# Altium PCB Fast_Servo.PCBDOC (part 4 of 7)
Units mm, origin at the board's own origin, x right, y up, seen from the top; angles counter-clockwise.
Board outline 162.48 x 100 mm, 4 copper layers (Top, GP1(GND), L3, Bot), stack 1.648 mm thick; 621 components, 389 nets, 1909 pads, 971 vias.
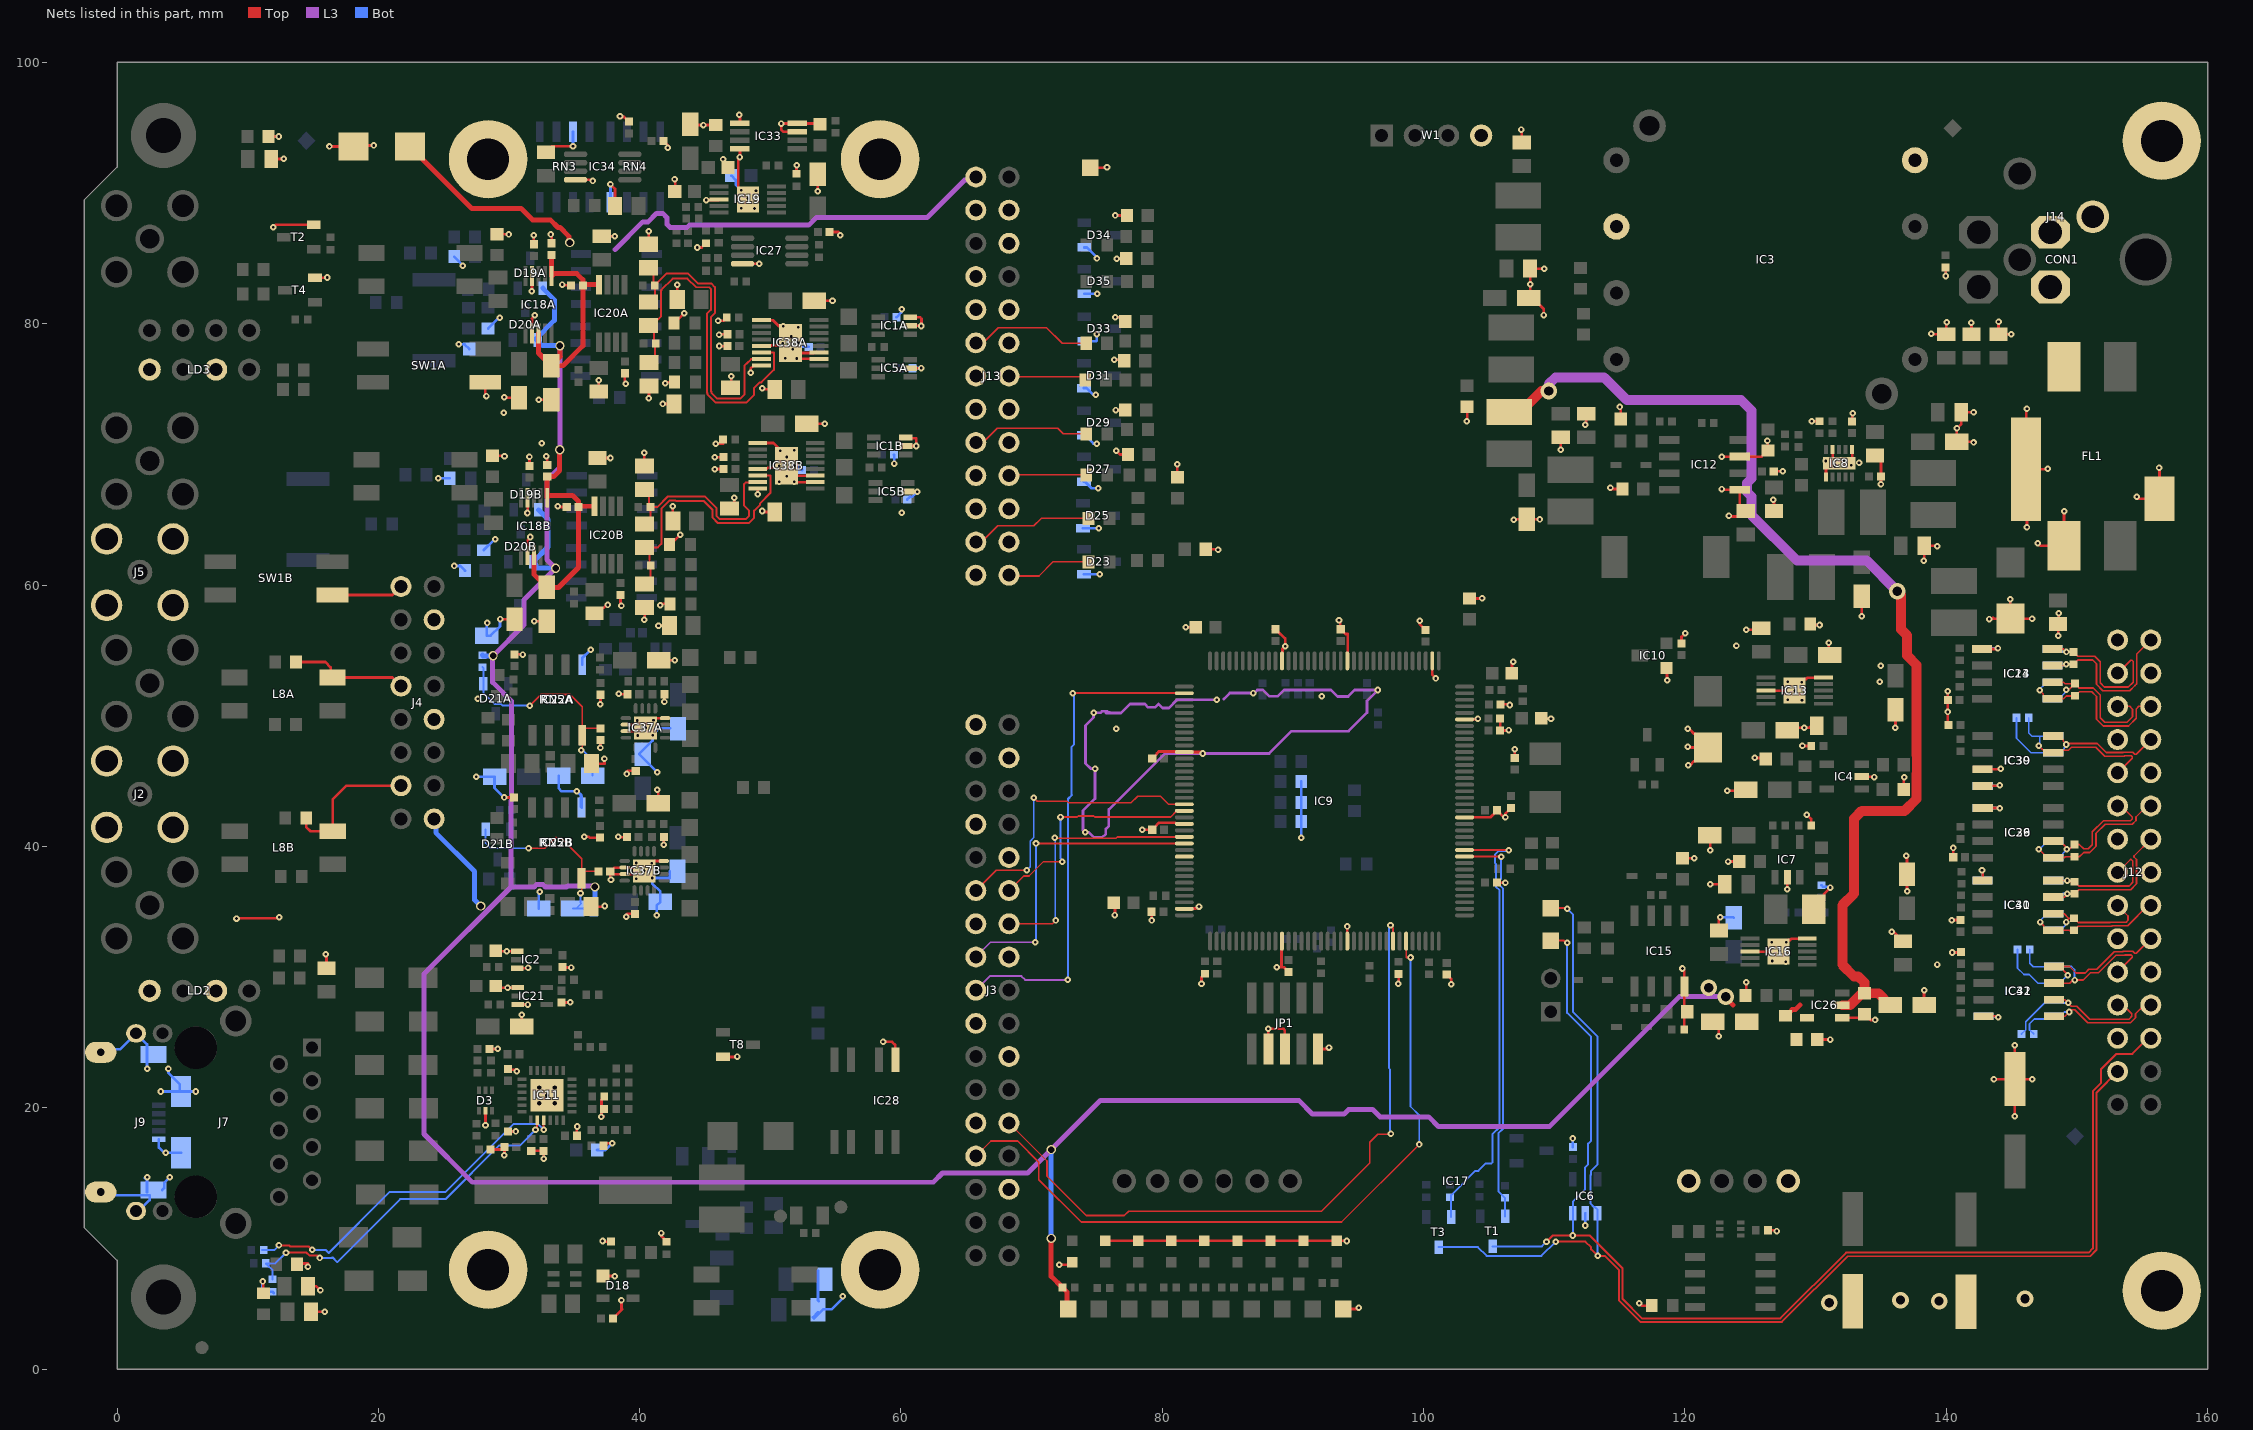
[diagram p6: the nets of this part, all layers, seen from the top]

## Via types
v1: diameter 0.5, hole 0.2, Top to Bot, tented both sides, 767 vias
v2: diameter 0.7, hole 0.5, Top to Bot, tented both sides, 74 vias
v3: diameter 0.6, hole 0.3, Top to Bot, tented both sides, 42 vias
v4: diameter 0.5, hole 0.2, Top to Bot, 40 vias
v5: diameter 1.27, hole 0.711, Top to Bot, tented both sides, 37 vias
v6: diameter 0.5, hole 0.2, Top to Bot, tented bottom, 5 vias
v7: diameter 0.66, hole 0.33, Top to Bot, tented both sides, 5 vias
v8: diameter 1, hole 0.6, Top to Bot, tented both sides, 1 vias

## Nets (pads, with @x,y where several pads share a name; then routed paths per layer and width w, separated by ;. In a path a pad name is that pad's centre, name@x,y a point inside that pad or via, vN(x,y) a via of type N, cw(c..) or ccw(c..) an arc to the next point about the centre after c; other vN are vias at no path point) (continued)
GND: A.1 B.1 C3A.2 C3B.2 C4.1 C5.1 C6A.1 C6B.1 C7A.1 C7B.1 C8.1 C9A.1 C9B.1 C10.2 C11.2 C12A.2 C12B.2 C13.1 C14.1 C15.2 C16A.2 C16B.2 C17.1 C18.1 C19.1 C20.1 C21.1 C22.1 C23.1 C24.2 C25.2 C26.1 C27.1 C28.2 C29.1 C31.2 C32.1 C33.1 C34.1 C35.2 C36.1 C37.2 C38.2 C39.1 C40.1 C41.2 C42.1 C43.2 C44.1 C45.1 C46.1 C48.1 C49.2 C50.2 C51.2 C52.2 C53.1 C54A.1 C54B.1 C55.1 C56.2 C57.2 C58.1 C59.1 C60.2 C61.1 C62.1 C63.1 C64.1 C65.2 C66.1 C67.2 C68.1 C69.1 C70.2 C71.2 C72.2 C73.2 C74.2 C75.1 C76.1 C77.2 C78.2 C79.2 C80.1 C81.1 C82.1 C83.1 C84.1 C85.1 C86.2 C87.1 C88.1 C89.1 C90.2 C91.1 C92A.1 C92B.1 C93.1 C95.1 C96.2 C97A.1 C97B.1 C98A.2 C98B.2 C99A.2 C99B.2 C100A.1 C100B.1 C101A.1 C101B.1 C102.2 C103.2 C105.1 C106A.1 C106B.1 C107.1 C108.1 C109.1 C110A.1 C110B.1 C112.1 C113A.1 C113B.1 C114.2 C115.2 C116.1 C117.1 C118.2 C119A.1 C119B.1 C121.1 C122.1 C123.1 C124A.1 C124B.1 C126A.2 C126B.2 C127A.2 C127B.2 C128A.1 C128B.1 C129A.1 C129B.1 C130A.1 C130B.1 C131A.1 C131B.1 C132A.1 C132B.1 C133A.1 C133B.1 C135.1 C137A.1 C137B.1 C138A.2 C138B.2 C139.2 C140.1 C141.2 C142A.1 C142B.1 C143A.1 C143B.1 C144.1 C145.1 C146.1 C147.1 C148.1 C149.1 C150A.1 C150B.1 C151A.1 C151B.1 C152.1 C154A.1 C154B.1 C155.1 C158.1 C160.1 C162.1 C164.1 C165.1 C166.1 C167.1 D3.2 D8.2 D9.1 D17.2 D18.1 D23.1 D25.1 D27.1 D29.1 D31.1 D33.1 D34.1 D35.1 FL1.4 IC1A.2 IC1A.3 IC1B.2 IC1B.3 IC2.1 IC2.3 IC3.3 IC3.5 IC4.2 IC5A.2 IC5B.2 IC6.2 IC7.2 IC8.1 IC8.4 IC8.6 IC8.11 IC9.16 IC9.31 IC9.38 IC9.51 IC9.61 IC9.83 IC9.94 IC9.107 IC9.120 IC9.130 IC10.1 IC11.25 IC12.1 IC12.3 IC13.5 IC13.8 IC13.11 IC14.5 IC15.4 IC16.5 IC16.8 IC16.11 IC17.7 IC17.10 IC18A.2 IC18A.9 IC18B.2 IC18B.9 IC19.8 IC19.11 IC21.1 IC21.3 IC23.4 IC26.1 IC27.4 IC28.3 IC29.5 IC30.3 IC30.4 IC31.5 IC32.4 IC33.3 IC33.4 IC33.5 IC33.8 IC34.4 IC36.4 IC37A.2 IC37A.3 IC37A.12 IC37A.17 IC37B.2 IC37B.3 IC37B.12 IC37B.17 IC38A.1 IC38A.5 IC38A.8 IC38A.10 IC38A.11 IC38A.17 IC38B.1 IC38B.5 IC38B.8 IC38B.10 IC38B.11 IC38B.17 IC39.5 IC40.4 IC41.5 J2.2 J3.1 J3.4 J3.7 J3.10 J3.13 J3.16 J3.19 J3.22 J3.25 J3.30 J4.1 J4.4 J4.7 J4.10 J4.13 J5.2 J7.L2 J7.L4 J9.5 J9.6 J9.7 J9.8 J9.9 J9.10 J9.11 J12.1 J12.4 J12.7 J12.10 J12.13 J12.16 J12.19 J12.22 J12.25 J13.2 J13.3 J13.5 J13.6 J13.8 J13.9 J13.11 J13.12 J13.14 J13.15 J13.17 J13.18 J13.20 J13.21 J13.23 J13.24 JP1.3 JP1.5 JP1.9 L8A.2 L8B.2 LD2.1 LD2.3 LD3.1 LD3.3 LD4.1 LD5.1 LD6.2 LD7.1 LD8.1 LD10.1 LD11.1 LD12.1 LD13.1 pad.0 pad.1 pad.3 R3.1 R4.1 R8.1 R10A.1 R10B.1 R25.1 R27.1 R28.1 R30.1 R38.1 R47.2 R48.1 R49.2 R54.1 R55.2 R67A.1 R67B.1 R75.2 R82A.1 R82B.1 R89A.1 R89B.1 R96.2 R101.1 R102.1 R103.2 R135.1 R143.1 R154.1 R155.1 R157.1 R161A.1 R161B.1 R163A.1 R163B.1 R181.2 R182.2 R183.2 RN3.7 RN4.4 RN5A.4 RN5B.4 SW1A.3 SW1B.3 T2.2 T4.2 T8.2 TP16.1 TP17.1 W1.4 | length 575.4
  Top w0.203: v1(9.144,34.481) 9.163,34.5 12.348,34.5 v1(12.418,34.569) ; v1(11.151,6.706) 11.201,6.655 R4.1@11.201,5.8 ; R3.1@11.595,94.336 v1(12.39,94.336) ; C10.2@11.797,92.608 12.732,92.608 v1(12.757,92.634) ; v1(11.957,87.376) 12.174,87.593 T2.2@15.057,87.593 ; R67A.1@13.703,54.12 15.94,54.12 16.347,53.714 16.347,53.081 L8A.2@16.5,52.928 21.072,52.928 J4.7@21.73,52.27 ; R135.1@14.084,8.077 14.592,8.077 14.616,8.053 v1(14.616,7.827) ; R67B.1@14.48,42.182 14.48,41.475 14.79,41.166 L8B.2@16.507,41.166 16.507,43.609 17.548,44.65 J4.13@21.73,44.65 ; C11.2@14.845,4.394 v1(15.9,4.394) ; C103.2@14.845,6.35 15.24,6.35 v1(15.57,6.02) ; T4.2@15.15,83.534 v1@16.104,83.534 ; v1(15.977,31.744) 16.03,31.69 C102.2@16.03,30.68 ; v1(16.104,83.544) v1@16.113,83.534 ; v1(16.261,93.571) D9.1@18.111,93.571 18.189,93.65 v1(19.645,93.65) ; SW1B.3@16.5,59.249 21.089,59.249 J4.1@21.73,59.89 ; v1@27.539,51.38 v1(27.61,51.309) ; SW1A.3@28.181,75.534 28.181,74.473 v1(28.274,74.473) ; D3.2@28.195,19.765 28.202,19.758 v1(28.202,18.669) ; C79.2@28.495,24.5 29.123,24.5 v1(29.134,24.511) ; C80.1@28.591,16.805 29.462,16.805 C82.1@29.656,17 29.656,16.372 v1(29.642,16.358) ; C110B.1@28.747,69.899 29.629,69.899 v1(29.656,69.872) ; C116.1@28.997,29.321 29.12,29.198 v1(29.889,29.198) IC21.1@30.675,29.198 ; C5.1@28.997,32.023 29.047,31.973 v1(29.832,31.973) IC2.1@30.618,31.973 ; C110A.1@29.081,86.864 29.964,86.864 v1(29.991,86.837) ; v1(29.317,57.404) 29.342,57.378 C127B.2@30.427,57.378 ; v1(29.628,43.75) C154B.1@30.371,43.75 ; v1(29.651,74.369) 29.677,74.343 C127A.2@30.761,74.343 ; C85.1@29.881,22.91 30.481,22.91 v1(30.582,22.809) ; R49.2@29.917,18.182 30.526,18.182 v1(30.531,18.186) ; C154A.1@30.416,54.698 31.035,54.698 v1(31.045,54.687) ; IC2.3@30.618,30.673 31.422,30.673 v1(31.457,30.708) ; IC21.3@30.675,27.898 31.441,27.898 v1(31.445,27.902) ; C52.2@30.966,26.217 v1(30.966,27.124) ; v1(31.415,65.521) 31.427,65.533 IC18B.9@31.427,66.695 ; IC18B.2@31.427,62.295 31.427,63.431 v1@31.59,63.594 ; C128B.1@31.567,69.124 v1(31.567,69.812) ; C88.1@31.705,16.701 C81.1@32.655,16.701 v1(32.655,16.113) ; v1(31.749,82.486) 31.761,82.498 IC18A.9@31.761,83.659 ; IC18A.2@31.761,79.259 31.761,80.396 v1@31.925,80.559 ; C128A.1@31.901,86.089 v1(31.901,86.777) ; v1(31.931,57.224) C130B.1@32.902,57.224 ; v1(32.266,74.189) C130A.1@33.236,74.189 ; C75.1@32.834,93.136 33.298,93.599 v1(34.9,93.599) ; v1(32.857,69.872) 32.927,69.802 C129B.1@32.927,69.199 ; v1(33.191,86.837) 33.261,86.767 C129A.1@33.261,86.164 ; v1(33.727,66.04) 33.792,65.974 C133B.1@34.422,65.974 ; C4.1@34.018,28.058 34.688,28.058 v1(34.696,28.067) ; v1(34.061,83.005) 34.127,82.939 C133A.1@34.757,82.939 ; C8.1@34.1,30.773 34.139,30.734 v1(34.757,30.734) ; IC34.4@35.096,91.026 36.302,91.026 v1(36.396,90.932) ; C83.1@35.197,17.856 35.197,18.535 v1(35.23,18.567) ; v1(35.75,40.75) 36.098,40.75 36.186,40.662 C3B.2@36.957,40.662 ; C106B.1@36.282,35.397 37.293,35.397 v1(37.338,35.442) ; C106A.1@36.327,46.335 37.319,46.335 37.307,46.347 v1(37.307,46.702) ; C131B.1@36.545,57.849 36.825,57.849 37.545,58.57 v1(37.545,58.482) ; C113B.1@36.77,69.731 v1(37.767,69.731) ; v1(36.88,75.684) C131A.1@36.88,74.814 C131A.1@37.159,74.814 ; v1(36.982,50.89) 37.002,50.87 C3A.2@37.002,51.6 ; v1(37.002,47.549) C92A.1@37.002,48.135 ; v1(37.059,19.304) v1@37.084,19.304 ; C113A.1@37.105,86.695 v1(38.102,86.695) ; v1(37.16,9.804) 37.213,9.752 C109.1@37.807,9.752 ; D18.1@37.207,7.121 38.091,7.121 v1(38.1,7.112) ; C91.1@37.22,17.272 v1(37.897,17.272) ; v1@37.236,19.357 v1@37.183,19.304 ; R47.2@37.301,20.855 37.084,20.638 v1@37.084,19.304 ; v1(37.766,90.67) 38.111,90.324 C76.1@38.111,89.015 ; v1(37.807,37.462) 37.751,37.518 C92B.1@37.751,38.073 ; C108.1@37.95,3.875 38.647,4.572 38.608,4.611 v1(38.608,5.258) ; v1(38.361,40.735) 38.384,40.712 C142B.1@39.023,40.712 ; v1(38.406,51.673) 38.429,51.65 C142A.1@39.067,51.65 ; v1(38.495,95.871) 38.533,95.833 38.813,95.833 C20.1@39.171,95.475 ; C132B.1@38.533,59.253 38.533,58.51 v1(38.608,58.434) ; IC37B.3@38.853,37.882 37.942,37.882 C92B.1@37.751,38.073 ; IC37B.2@38.853,38.382 38.06,38.382 C92B.1@37.751,38.073 ; C132A.1@38.867,76.218 38.867,75.474 v1(38.942,75.399) ; IC37A.3@38.948,48.82 39.803,48.82 IC37A.17@40.053,49.07 ; IC37A.2@38.948,49.32 39.698,49.32 39.948,49.07 IC37A.17@40.053,49.07 ; IC37B.3@38.953,37.882 IC37B.17@40.153,37.882 ; IC37B.2@38.953,38.382 IC37B.17@40.153,38.382 ; v1(38.967,34.61) 38.967,34.763 39.048,34.844 C101B.1@39.653,34.844 ; v1(39.011,45.548) 39.011,45.701 39.093,45.782 C101A.1@39.698,45.782 ; v1(40.358,57.35) 40.379,57.372 C126B.2@40.379,58.278 ; C119B.1@40.358,69.124 v1(40.358,70.126) ; v1(40.692,74.315) 40.714,74.336 C126A.2@40.714,75.243 ; C119A.1@40.692,86.089 v1(40.692,87.091) ; IC37B.17@41.103,38.882 IC37B.12@41.853,38.882 IC37B.17@41.153,38.882 ; v1(41.338,44.337) 41.413,44.262 C12B.2@41.413,43.31 ; v1(41.443,56.899) C151B.1@42.293,56.899 ; C12A.2@41.458,54.248 v1(42.691,54.248) ; v1(41.58,58.445) 41.58,58.538 41.549,58.57 R163B.1@42.334,58.57 ; v1(41.656,10.414) 41.656,10.167 42.051,9.772 R75.2@42.051,9.742 ; v1(41.777,73.864) C151A.1@42.627,73.864 ; C22.1@41.813,94.001 42.164,93.65 v1(42.164,93.472) ; v1(41.853,40.14) C143B.1@41.853,40.712 ; v1(41.898,51.078) C143A.1@41.898,51.65 ; IC37A.12@41.948,49.82 41.239,49.82 40.489,49.07 v4(40.448,49.07) IC37A.17@40.053,49.07 ; v1(41.961,75.438) 41.961,75.444 42.006,75.489 41.961,75.534 R163A.1@42.668,75.534 ; R161B.1@42.293,63.094 42.343,63.094 v1(43.093,63.844) ; v1(42.537,66.036) 42.543,66.03 C150B.1@42.543,64.904 ; R161A.1@42.627,80.059 42.677,80.059 v1(43.427,80.809) ; v1(42.668,91.068) 42.714,91.022 C140.1@42.714,90.13 ; v1(42.871,83.001) 42.877,82.995 C150A.1@42.877,81.869 ; C141.2@43.873,95.28 43.941,95.212 v1(44.883,95.212) R157.1@45.825,95.212 ; v1(44.413,85.84) 44.746,85.84 R154.1@45.08,86.174 ; v1(45.083,89.471) 46.043,89.471 IC19.8@46.087,89.515 ; v1(45.751,68.883) C54B.1@46.421,68.883 ; v1(45.761,69.794) C100B.1@46.426,69.794 ; v1(45.817,70.823) R10B.1@46.386,70.823 ; v1(45.999,80.239) 46.399,80.239 46.407,80.231 R10A.1@46.657,80.481 ; v1(46.076,79.172) 46.106,79.202 C100A.1@46.727,79.202 ; v1(46.087,78.301) 46.097,78.291 C54A.1@46.722,78.291 ; v1(46.383,92.6) 46.45,92.533 C122.1@46.45,91.97 ; T8.2@46.598,23.668 T8.2@46.375,23.891 47.431,23.891 v1(47.46,23.92) ; v1(47.015,75.971) 47.147,75.971 47.001,76.117 47.001,75.481 C6A.1@47.246,75.236 ; v1(47.244,66.7) 47.25,66.694 C6B.1@47.25,65.843 ; v1(47.622,96.012) 47.675,95.96 IC33.5@47.675,95.346 ; IC33.8@47.675,93.396 v1(47.675,92.764) 47.545,92.635 47.545,90.256 IC19.11@48.287,89.515 ; IC27.4@47.88,84.6 v1(49.167,84.6) ; v1(48.5,76.25) 48.5,76.567 48.717,76.784 49.327,76.784 IC38A.8@49.337,76.794 ; v1(49.039,66.96) IC38B.8@49.039,67.383 ; IC38A.5@49.171,78.266 49.692,78.266 49.767,78.341 50.666,78.341 51.741,77.266 51.791,77.316 53.271,77.316 IC38A.10@53.321,77.266 ; IC38A.1@49.171,80.266 50.225,80.266 IC38A.17@51.246,79.245 ; IC38B.5@49.175,68.872 49.696,68.872 49.802,68.979 IC38B.17@50.67,68.979 ; IC38B.1@49.175,70.872 50.229,70.872 51.25,69.852 50.67,69.272 v4(50.67,69.133) ; v1(49.377,75.066) 49.457,74.986 C9A.1@50.346,74.986 ; v1(49.381,65.673) 49.461,65.593 C9B.1@50.35,65.593 ; IC38A.17@50.806,78.526 IC38A.17@50.82,78.526 ; R155.1@52,91.47 52,92.107 v1(52.019,92.126) ; IC33.3@52.075,94.696 50.998,94.696 50.825,94.869 v1(50.825,95.326) 53.735,95.326 C149.1@53.8,95.261 ; C16B.2@52.8,72.358 v1(54.153,72.358) ; IC38A.11@53.321,77.766 51.996,77.766 v4(51.707,78.054) 51.236,78.526 v4(50.948,78.526) ; IC38B.10@53.325,67.872 51.745,67.872 50.67,68.948 IC38B.17@50.67,68.979 ; IC38B.11@53.325,68.372 52,68.372 IC38B.17@51.239,69.133 IC38B.17@50.952,69.133 ; C16A.2@53.377,81.776 54.745,81.776 v1(54.759,81.763) ; v1(53.635,90.13) C139.2@53.635,91.43 ; C152.1@54.535,87.03 55.204,87.03 55.353,86.881 v1(55.353,86.792) ; v1@58.677,25.095 v1(58.626,25.044) 59.309,25.044 59.569,24.785 59.569,23.687 IC28.3@59.582,23.674 IC28.3@59.598,23.658 ; IC1B.2@60.356,70.647 v1(61.161,70.647) 61.161,71.242 60.411,71.242 IC1B.3@60.356,71.297 ; IC5B.2@60.509,67.158 v1(61.259,67.158) ; IC5A.2@60.701,76.6 60.708,76.607 61.559,76.607 v1(61.566,76.614) ; IC1A.2@60.701,79.854 60.712,79.843 61.53,79.843 61.566,79.88 61.566,80.385 61.447,80.504 IC1A.3@60.701,80.504 ; v1(72.111,7.976) 73.319,7.976 LD6.2@73.122,8.173 ; TP16.1@74.498,91.948 75.743,91.948 v1(75.768,91.973) ; LD4.1@75.648,9.823 LD7.1@83.228,9.823 94.089,9.823 v1(94.107,9.804) ; C24.2@76.298,35.684 76.375,35.607 v1(76.375,34.751) ; v1(76.325,77.237) C162.1@77.075,77.237 ; v1(76.4,88.291) C165.1@77.3,88.291 ; v1(76.402,80.5) 76.755,80.5 C164.1@77.175,80.08 ; v1(76.425,73.4) C160.1@77.175,73.4 ; v1(76.475,70.295) 76.775,69.995 C158.1@77.375,69.995 ; v1(76.5,84.991) C166.1@77.25,84.991 ; v1(78.473,41.274) C74.2@79.233,41.274 79.585,41.626 79.585,41.669 79.729,41.813 80.997,41.813 81.083,41.727 IC9.94@81.684,41.727 ; v1(79.183,34.334) C57.2@79.183,35.002 ; C73.2@79.233,46.727 79.585,47.079 79.585,47.122 79.729,47.266 81.044,47.266 81.083,47.227 IC9.83@81.684,47.227 82.909,47.227 83.023,47.114 v1(83.103,47.114) ; C155.1@81.153,68.262 81.153,69.058 81.148,69.063 81.148,69.231 81.153,69.236 v1(81.153,69.254) ; IC9.107@81.684,35.227 81.703,35.245 82.572,35.245 82.729,35.402 v1(82.809,35.402) ; v1(81.788,56.784) C25.2@82.571,56.784 ; v1@83.057,29.557 v1(83,29.5) 83,29.992 R30.1@83.274,30.266 ; C135.1@83.325,62.747 84.226,62.747 84.254,62.719 v1(84.266,62.719) ; JP1.3@88.114,24.5 v1(88.114,26.035) 89.281,26.035 89.384,25.932 JP1.5@89.384,24.5 ; C35.2@88.452,56.625 88.452,56.618 88.71,56.618 89.401,55.927 89.401,55.325 89.198,55.122 89.198,54.241 IC9.61@89.159,54.202 ; C35.2@88.659,56.625 89.021,56.264 ; v1@88.751,30.761 v1(88.757,30.761) 89.118,30.761 ; IC9.120@89.159,32.752 89.118,32.711 89.118,30.761 ; C70.2@89.657,30.4 89.296,30.761 89.118,30.761 ; JP1.9@91.924,24.5 92.649,24.5 v1(92.759,24.61) ; v1(93.523,57.302) 93.631,57.302 93.631,56.653 C37.2@93.659,56.625 94.021,56.264 94.198,56.264 94.198,54.241 IC9.51@94.159,54.202 ; TP17.1@93.845,4.597 94.927,4.597 v1(95.021,4.691) ; IC9.130@94.159,32.752 v1(94.159,33.877) ; v1(98.044,29.48) 98.089,29.524 R96.2@98.089,30.236 ; v1(99.695,57.277) 99.695,57.009 C71.2@100.129,56.575 ; IC9.38@100.659,54.202 100.659,53.152 100.938,52.873 v1(100.938,52.856) ; C72.2@101.774,30.194 102.108,29.86 v1(102.108,29.464) ; IC9.16@103.134,42.227 103.134,42.235 105.114,42.235 105.609,42.731 C38.2@105.609,42.774 106.156,42.227 v1(106.263,42.227) 106.263,42.514 C21.1@106.699,42.95 ; IC9.31@103.134,49.727 104.103,49.727 v1(104.16,49.784) ; v1(103.302,72.548) 103.327,72.573 C29.1@103.327,73.647 ; C78.2@103.5,58.975 104.446,58.975 v1(104.47,59) ; C43.2@105.609,37.227 v1(106.263,37.227) ; C31.2@105.859,49.8 C41.2@105.859,48.871 106.477,48.871 v1(106.514,48.908) ; C15.2@105.899,50.871 106.627,50.871 v1(106.582,50.826) ; C107.1@106.759,53.246 106.759,54.027 v1(106.859,54.127) ; v1(106.909,64.999) 106.953,65.043 C18.1@107.885,65.043 108.871,65.043 v1(108.89,65.024) ; C23.1@106.974,46.774 106.974,47.434 v1(106.987,47.447) ; v1(107.467,94.869) 107.5,94.836 C26.1@107.5,93.876 ; C14.1@109,49.8 109.734,49.8 v1(109.75,49.784) ; v1(109.195,80.67) 109.195,81.128 108.346,81.976 C28.2@108.05,81.976 108.15,82.076 v1(108.15,83.033) C27.1@108.15,84.226 109.195,84.226 v1(109.22,84.201) ; v1(110.5,70.358) C42.1@110.5,71.326 ; v1(112.37,72.263) 112.454,72.348 C40.1@112.454,73.126 ; v1(114.3,67.462) 114.409,67.353 C69.1@115.221,67.353 ; v1(115.011,73.635) 115.075,73.57 C95.1@115.075,72.703 ; v1(116.51,5.029) 116.688,4.851 R101.1@117.462,4.851 ; v1(118.631,52.711) IC10.1@118.631,53.646 ; C67.2@119.736,55.546 119.736,56.038 v1(120.017,56.319) ; v1(119.812,30.658) 119.945,30.524 R48.1@119.945,25.982 ; C66.1@119.825,39.089 120.724,39.089 v1(120.726,39.091) ; v1(120.217,47.616) 120.256,47.577 D8.2@121.76,47.577 ; v1(120.217,49.001) 120.336,49.001 120.711,48.625 120.786,48.625 121.76,47.652 D8.2@121.76,47.577 ; v1(120.256,46.202) 120.384,46.202 120.711,46.529 120.786,46.529 121.76,47.502 D8.2@121.76,47.577 ; C56.2@121.892,40.846 121.942,40.796 v1(121.942,39.696) ; v1(121.942,37.096) C53.1@123.042,37.096 ; C89.1@122.142,26.596 122.58,26.157 v1(122.58,25.476) ; C112.1@122.6,33.571 122.6,34.424 122.692,34.515 v1(122.692,34.596) ; v1(122.809,67.353) 122.864,67.298 IC12.1@124.199,67.298 124.199,65.726 124.667,65.258 123.414,65.258 v1(123.368,65.303) ; v1(122.824,69.825) 122.837,69.838 IC12.3@124.199,69.838 125.876,69.838 R103.2@126.346,70.308 126.346,71.011 v1(126.314,71.043) ; v1(123.242,44.264) 124.56,44.264 C65.2@124.642,44.346 ; v1(123.298,38.846) C55.1@124.492,38.846 ; R38.1@124.642,28.596 124.692,28.646 v1(124.692,29.596) ; v1(124.692,56.596) C62.1@125.492,56.596 ; IC16.8@124.962,31.948 IC16.11@127.162,31.948 127.692,32.477 IC16.11@127.692,32.627 ; v1(125.329,46.774) 125.92,46.774 125.999,46.696 C45.1@126.542,46.696 ; IC13.8@126.191,51.923 IC13.11@128.391,51.923 128.391,52.073 129.129,52.812 129.279,52.812 129.391,52.923 IC13.5@130.591,52.923 ; R102.1@126.355,10.626 126.971,10.626 v1(127.03,10.566) ; v1(126.771,66.548) 126.796,66.548 126.817,66.527 C123.1@126.817,65.673 ; C93.1@126.796,68.703 127.479,68.703 v1(127.483,68.707) ; IC16.11@127.542,32.777 IC16.11@127.692,32.627 ; IC16.11@127.742,32.677 IC16.11@127.692,32.627 ; v1@127.842,36.695 IC7.2@127.842,37.645 ; IC16.11@127.901,32.836 128.051,32.836 128.162,32.948 IC16.5@129.362,32.948 ; C51.2@128.242,49.096 v1(129.129,49.096) 129.542,49.096 C13.1@129.742,49.296 ; v1(128.995,47.704) 129.013,47.687 R27.1@129.667,47.687 ; v1(129.337,42.418) 129.362,42.418 129.662,42.118 R54.1@129.662,41.596 ; R25.1@129.592,57.021 129.665,56.949 v1(130.3,56.949) ; v1(129.692,72.548) R28.1@130.3,72.548 ; C114.2@129.841,35.179 130.639,35.977 130.639,36.366 v1(131.128,36.855) v1@131.142,36.842 ; C46.1@130.137,25.222 v1(131.128,25.222) ; IC8.6@130.8,68.278 130.8,68.856 131.271,69.328 IC8.11@131.8,69.328 131.95,69.478 132.8,69.478 IC8.1@132.8,70.378 ; v1(131.013,55.592) 131.013,54.736 C118.2@131.095,54.654 ; IC8.11@131.3,69.478 IC8.4@131.3,70.378 ; IC26.1@132.042,26.896 133.461,26.896 C44.1@133.731,27.165 133.755,27.165 134.199,26.721 v1(134.55,26.721) ; C63.1@132.8,72.528 132.8,73.11 v1(132.842,73.152) ; v1(133.528,57.633) 133.542,57.647 C50.2@133.542,59.152 ; IC4.2@133.542,45.346 134.461,45.346 v1(134.493,45.314) ; C64.1@134.55,69.928 134.577,69.928 135,69.504 C58.1@135,68.328 135,67.679 135.001,67.68 v1(135.001,67.716) ; v1@134.856,52.56 v1(134.899,52.603) ; v1(135.842,33.481) 135.957,33.481 C61.1@136.692,32.746 ; v1(136.093,49.098) 136.119,49.124 C77.2@136.119,50.465 ; C117.1@136.742,44.346 136.742,45.272 v1(136.779,45.309) ; v1(136.944,39.292) 137,39.235 C60.2@137,37.861 v1(137,36.561) ; v1(138.284,61.874) 138.314,61.905 C59.1@138.314,63.017 139.268,63.017 v1(139.319,62.967) ; C19.1@138.3,27.871 138.3,28.997 v1(138.303,29) ; v1(138.858,79.227) 138.885,79.2 C32.1@140,79.2 140,80.081 v1(140.03,80.112) ; R8.1@139.95,84.31 139.95,83.663 v1(139.954,83.659) ; C145.1@140.125,49.296 v1(140.125,50.292) 140.125,50.534 C144.1@140.126,51.206 v1(140.125,51.875) ; v1(140.425,34.352) 140.444,34.371 C147.1@141.086,34.371 ; v1(140.45,31.883) 141.088,31.883 C146.1@141.127,31.922 ; C148.1@140.535,39.176 140.535,39.874 v1(140.544,39.883) ; v1(141.91,80.081) 141.935,80.056 C36.1@141.935,79.2 ; v1(142.088,70.92) 142.032,70.976 C49.2@140.8,70.976 140.8,71.991 v1(140.818,72.009) 141.15,72.341 C34.1@141.15,73.226 v1(142.088,73.226) ; IC14.5@142.732,55.111 143.903,55.111 v1(143.955,55.163) ; v1(142.736,38.187) 142.783,38.141 IC31.5@142.783,37.39 ; IC30.4@142.783,44.636 144.05,44.636 v1(144.108,44.693) ; IC30.3@142.783,45.906 144.155,45.906 v1(144.184,45.934) ; IC29.5@142.793,42.946 144.074,42.946 v1(144.082,42.937) ; IC32.4@142.843,27.001 143.915,27.001 v1(143.981,26.935) ; v1@143.316,57.435 D17.2@144.924,57.435 v1@146.559,57.435 ; 143.561,57.511 143.586,57.486 ; v1(143.65,22.179) 143.666,22.195 C86.2@145.25,22.195 ; v1(144,80.162) C39.1@144,79.2 144.978,79.2 v1(144.983,79.205) ; D17.2@144.898,57.46 v1(144.898,58.917) ; v1(145.25,19.345) C86.2@145.25,22.195 ; v1(145.25,24.795) C86.2@145.25,22.195 ; v1@146.117,73.445 FL1.4@146.117,68.872 v1@147.741,68.872 ; v1(146.177,64.44) 146.177,67.964 FL1.4@146.575,68.362 ; v1(146.575,22.195) C86.2@145.25,22.195 ; v1@147.184,63.022 FL1.4@149.017,63.022 v1@149.017,65.65 ; v1(148.559,56.115) C48.1@148.559,57.021 148.606,56.975 v1(148.606,57.857) ; v1(154.592,66.774) 154.743,66.622 FL1.4@156.317,66.622 156.317,68.952 v1(156.285,68.983) ; v1@37.084,19.304 37.084,19.205 v1@37.183,19.304 ; v1@37.084,19.304 v1@37.183,19.304 ; IC38B.17@50.67,68.979 v4(50.67,69.133) ; IC38B.17@50.67,68.979 51.106,68.979 IC38B.17@50.952,69.133 ; v4(50.67,69.133) IC38B.17@50.952,69.133 ; IC38A.17@50.82,78.526 v4(50.948,78.526) ; IC38A.17@50.82,78.526 50.666,78.372 51.102,78.372 v4(50.948,78.526)